# Allegro board 8880F5-0827_6.brd (continued)
## Routing (per net, layer and track width the routed paths; a pad name or vN(x,y) marks a point on that pad's centre or on a via; arc(x,y) is an arc through that point) (continued)
; CSDPS429.B8 182.88,343.71 ; SITE2.G8 329.81,247.93 ; SITE2.G8 329.33,248.41 ; SITE2.G8 329.33,247.45 ; SITE2.G8 328.85,247.93 ; D103.B1 307.34,59.23 ; D103.B1 306.53,58.42 ; D103.B1 307.34,57.61 ; D103.B1 308.15,58.42 ; D322.A8 251.46,66.75 ; D322.A8 252.17,66.04 ; D322.A8 250.75,66.04 ; D322.A8 251.46,65.33 ; 42.37,33.02 D128.A13 ; D128.A13 43.18,33.83 ; D128.A13 43.18,32.21 ; D128.A13 43.99,33.02 ; D109.A14 388.62,333.55 ; D109.A14 388.62,331.93 ; D109.A14 387.81,332.74 ; D109.A14 389.43,332.74 ; 413.21,353.06 D110.A4 ; D110.A4 414.83,353.06 ; D110.A4 414.02,352.25 ; D110.A4 414.02,353.87 ; D131.A11 112.57,53.34 ; D131.A11 111.76,54.15 ; D131.A11 110.95,53.34 ; D131.A11 111.76,52.53 ; D431.A2 198.93,383.54 ; D431.A2 198.12,382.73 ; D431.A2 197.31,383.54 ; D431.A2 198.12,384.35 ; 383.54,55.07 D107.A2 ; D107.A2 383.54,56.69 ; D107.A2 384.35,55.88 ; D107.A2 382.73,55.88 ; SITE3.G16 252.63,183.31 ; SITE3.G16 253.11,182.83 ; SITE3.G16 252.15,182.83 ; SITE3.G16 252.63,182.35 ; D124.A16 272.59,35.56 ; D124.A16 270.97,35.56 ; D124.A16 271.78,34.75 ; D124.A16 271.78,36.37 ; 322.58,409.4 DPS2.C11 ; DPS2.C11 323.39,410.21 ; DPS2.C11 321.77,410.21 ; DPS2.C11 322.58,411.02 ; 270.97,60.96 D123.B16 ; D123.B16 272.59,60.96 ; D123.B16 271.78,61.77 ; D123.B16 271.78,60.15 ; D108.A4 389.43,35.56 ; D108.A4 388.62,34.75 ; D108.A4 388.62,36.37 ; D108.A4 387.81,35.56 ; 327.66,395.43 D116.A9 ; D116.A9 327.66,397.05 ; D116.A9 328.47,396.24 ; D116.A9 326.85,396.24 ; D113.A6 335.28,333.55 ; D113.A6 336.09,332.74 ; D113.A6 334.47,332.74 ; D113.A6 335.28,331.93 ; D318.B8 177.8,71.83 ; D318.B8 177.8,70.41 ; D318.B8 177.09,71.12 ; D318.B8 178.51,71.12 ; S2_I2C.4 504.95,204.39 ; S2_I2C.4 504.95,202.51 ; S2_I2C.4 504.01,203.45 ; S2_I2C.4 505.89,203.45 ; 261.62,90.73 D321.B12 ; D321.B12 261.62,92.15 ; D321.B12 260.91,91.44 ; D321.B12 262.33,91.44 ; 398.78,352.25 D110.A10 ; D110.A10 399.59,353.06 ; D110.A10 397.97,353.06 ; D110.A10 398.78,353.87 ; D116.B6 336.09,388.62 ; D116.B6 335.28,389.43 ; D116.B6 334.47,388.62 ; D116.B6 335.28,387.81 ; D106.B7 396.24,79.55 ; D106.B7 397.05,78.74 ; D106.B7 395.43,78.74 ; D106.B7 396.24,77.93 ; 419.1,326.85 D109.B2 ; D109.B2 418.29,327.66 ; D109.B2 419.1,328.47 ; D109.B2 419.91,327.66 ; SITE2.G4 331.33,241.81 ; SITE2.G4 330.85,241.33 ; SITE2.G4 331.81,241.33 ; SITE2.G4 331.33,240.85 ; D118.A4 167.64,77.01 ; D118.A4 168.45,76.2 ; D118.A4 166.83,76.2 ; D118.A4 167.64,75.39 ; D112.B12 394.51,388.62 ; D112.B12 392.89,388.62 ; D112.B12 393.7,389.43 ; D112.B12 393.7,387.81 ; 91.44,52.53 D131.A3 ; D131.A3 92.25,53.34 ; D131.A3 90.63,53.34 ; D131.A3 91.44,54.15 ; 169.37,53.34 D119.A5 ; D119.A5 170.99,53.34 ; D119.A5 170.18,54.15 ; D119.A5 170.18,52.53 ; D305.B2 384.25,91.44 ; D305.B2 383.54,92.15 ; D305.B2 382.83,91.44 ; D305.B2 383.54,90.73 ; D122.B7 248.92,79.55 ; D122.B7 248.11,78.74 ; D122.B7 249.73,78.74 ; D122.B7 248.92,77.93 ; 249.03,242.35 SITE1.G13 ; SITE1.G13 249.03,243.31 ; SITE1.G13 248.55,242.83 ; SITE1.G13 249.51,242.83 ; 174.55,83.82 D317.A7 ; D317.A7 175.97,83.82 ; D317.A7 175.26,84.53 ; D317.A7 175.26,83.11 ; D125.B6 25.4,102.41 ; D125.B6 24.59,101.6 ; D125.B6 25.4,100.79 ; D125.B6 26.21,101.6 ; 187.96,377.65 D431.B6 ; D431.B6 188.77,378.46 ; D431.B6 187.96,379.27 ; D431.B6 187.15,378.46 ; 33.02,72.85 D126.A9 ; D126.A9 32.21,73.66 ; D126.A9 33.83,73.66 ; D126.A9 33.02,74.47 ; 314.15,368.3 D115.B14 ; D115.B14 314.96,369.11 ; D115.B14 315.77,368.3 ; D115.B14 314.96,367.49 ; D119.A16 198.93,55.88 ; D119.A16 198.12,56.69 ; D119.A16 197.31,55.88 ; D119.A16 198.12,55.07 ; 395.43,391.16 D112.B11 ; D112.B11 396.24,391.97 ; D112.B11 397.05,391.16 ; D112.B11 396.24,390.35 ; D107.A8 398.78,56.69 ; D107.A8 399.59,55.88 ; D107.A8 397.97,55.88 ; D107.A8 398.78,55.07 ; 329.75,186.43 SITE4.G18 ; SITE4.G18 330.23,185.95 ; SITE4.G18 330.23,186.91 ; SITE4.G18 330.71,186.43 ; D322.A5 243.84,64.21 ; D322.A5 243.84,62.79 ; D322.A5 244.55,63.5 ; D322.A5 243.13,63.5 ; 162.56,70.41 D318.B2 ; D318.B2 162.56,71.83 ; D318.B2 161.85,71.12 ; D318.B2 163.27,71.12 ; 342.9,62.79 D302.A15 ; D302.A15 343.61,63.5 ; D302.A15 342.19,63.5 ; D302.A15 342.9,64.21 ; 390.35,330.2 D109.B13 ; D109.B13 391.16,331.01 ; D109.B13 391.16,329.39 ; D109.B13 391.97,330.2 ; 200.66,414.48 DPS8.A01 ; DPS8.A01 199.85,415.29 ; DPS8.A01 201.47,415.29 ; DPS8.A01 200.66,416.1 ; 408.94,39.83 D108.B12 ; D108.B12 408.13,40.64 ; D108.B12 409.75,40.64 ; D108.B12 408.94,41.45 ; 165.1,414.48 DPS8.A15 ; DPS8.A15 165.1,416.1 ; DPS8.A15 164.29,415.29 ; DPS8.A15 165.91,415.29 ; D322.B5 243.84,69.29 ; D322.B5 243.13,68.58 ; D322.B5 243.84,67.87 ; D322.B5 244.55,68.58 ; 403.86,39.83 D108.B10 ; D108.B10 403.05,40.64 ; D108.B10 404.67,40.64 ; D108.B10 403.86,41.45 ; D118.A9 181.15,73.66 ; D118.A9 179.53,73.66 ; D118.A9 180.34,74.47 ; D118.A9 180.34,72.85 ; D318.A15 195.58,64.21 ; D318.A15 195.58,62.79 ; D318.A15 196.29,63.5 ; D318.A15 194.87,63.5 ; 391.16,390.35 D112.B13 ; D112.B13 391.16,391.97 ; D112.B13 390.35,391.16 ; D112.B13 391.97,391.16 ; 245.67,91.44 D321.B6 ; D321.B6 247.09,91.44 ; D321.B6 246.38,92.15 ; D321.B6 246.38,90.73 ; D127.A12 41.45,55.88 ; D127.A12 39.83,55.88 ; D127.A12 40.64,55.07 ; D127.A12 40.64,56.69 ; D116.B14 314.96,389.43 ; D116.B14 314.96,387.81 ; D116.B14 314.15,388.62 ; D116.B14 315.77,388.62 ; D129.A12 115.11,96.52 ; D129.A12 113.49,96.52 ; D129.A12 114.3,97.33 ; D129.A12 114.3,95.71 ; D122.A9 254,74.47 ; D122.A9 253.19,73.66 ; D122.A9 254.81,73.66 ; D122.A9 254,72.85 ; CSDPS229.C3 195.58,331.01 ; CSDPS229.C3 195.58,329.39 ; CSDPS229.C3 194.77,330.2 ; CSDPS229.C3 196.39,330.2 ; 411.48,375.11 D111.A5 ; D111.A5 412.29,375.92 ; D111.A5 411.48,376.73 ; D111.A5 410.67,375.92 ; D113.A11 323.39,335.28 ; D113.A11 322.58,336.09 ; D113.A11 322.58,334.47 ; D113.A11 321.77,335.28 ; D114.A5 338.63,355.6 ; D114.A5 337.01,355.6 ; D114.A5 337.82,354.79 ; D114.A5 337.82,356.41 ; D118.B13 191.31,78.74 ; D118.B13 189.69,78.74 ; D118.B13 190.5,79.55 ; D118.B13 190.5,77.93 ; D318.B3 165.1,69.29 ; D318.B3 164.39,68.58 ; D318.B3 165.1,67.87 ; D318.B3 165.81,68.58 ; 410.77,83.82 D305.A13 ; D305.A13 411.48,84.53 ; D305.A13 412.19,83.82 ; D305.A13 411.48,83.11 ; D123.A12 262.43,55.88 ; D123.A12 261.62,56.69 ; D123.A12 261.62,55.07 ; D123.A12 260.81,55.88 ; 322.58,37.29 D104.B7 ; D104.B7 322.58,38.91 ; D104.B7 321.77,38.1 ; D104.B7 323.39,38.1 ; D132.B16 125.27,40.64 ; D132.B16 123.65,40.64 ; D132.B16 124.46,39.83 ; D132.B16 124.46,41.45 ; D118.B11 185.42,79.55 ; D118.B11 185.42,77.93 ; D118.B11 186.23,78.74 ; D118.B11 184.61,78.74 ; 397.97,60.96 D107.B8 ; D107.B8 398.78,60.15 ; D107.B8 399.59,60.96 ; D107.B8 398.78,61.77 ; 172.01,71.12 D318.B6 ; D318.B6 172.72,71.83 ; D318.B6 172.72,70.41 ; D318.B6 173.43,71.12 ; D104.B1 308.15,38.1 ; D104.B1 307.34,38.91 ; D104.B1 307.34,37.29 ; D104.B1 306.53,38.1 ; D120.A6 173.53,35.56 ; D120.A6 171.91,35.56 ; D120.A6 172.72,34.75 ; D120.A6 172.72,36.37 ; DPS1.C11 406.4,19.86 ; DPS1.C11 406.4,18.24 ; DPS1.C11 405.59,19.05 ; DPS1.C11 407.21,19.05 ; D104.A14 341.17,35.56 ; D104.A14 340.36,34.75 ; D104.A14 339.55,35.56 ; D104.A14 340.36,36.37 ; D321.A11 259.79,83.82 ; D321.A11 259.08,84.53 ; D321.A11 258.37,83.82 ; D321.A11 259.08,83.11 ; D119.A14 193.85,55.88 ; D119.A14 193.04,56.69 ; D119.A14 193.04,55.07 ; D119.A14 192.23,55.88 ; 386.08,77.93 D106.B3 ; D106.B3 386.08,79.55 ; D106.B3 386.89,78.74 ; D106.B3 385.27,78.74 ; D110.A8 403.86,353.87 ; D110.A8 404.67,353.06 ; D110.A8 403.05,353.06 ; D110.A8 403.86,352.25 ; 250.65,76.2 D122.A8 ; D122.A8 251.46,75.39 ; D122.A8 252.27,76.2 ; D122.A8 251.46,77.01 ; 118.57,55.88 D131.A14 ; D131.A14 120.19,55.88 ; D131.A14 119.38,55.07 ; D131.A14 119.38,56.69 ; 383.54,80.47 D106.B2 ; D106.B2 384.35,81.28 ; D106.B2 383.54,82.09 ; D106.B2 382.73,81.28 ; D114.A16 309.88,353.87 ; D114.A16 310.69,353.06 ; D114.A16 309.07,353.06 ; D114.A16 309.88,352.25 ; SITE1.G5 252.33,241.81 ; SITE1.G5 252.81,241.33 ; SITE1.G5 252.33,240.85 ; SITE1.G5 251.85,241.33 ; D110.B3 417.37,350.52 ; D110.B3 415.75,350.52 ; D110.B3 416.56,349.71 ; D110.B3 416.56,351.33 ; 50.8,80.47 D126.B16 ; D126.B16 51.61,81.28 ; D126.B16 50.8,82.09 ; D126.B16 49.99,81.28 ; D129.B15 122.73,99.06 ; D129.B15 121.11,99.06 ; D129.B15 121.92,99.87 ; D129.B15 121.92,98.25 ; 116.84,32.21 D132.A13 ; D132.A13 116.84,33.83 ; D132.A13 116.03,33.02 ; D132.A13 117.65,33.02 ; SITE2.G18 330.23,246.91 ; SITE2.G18 330.23,245.95 ; SITE2.G18 329.75,246.43 ; SITE2.G18 330.71,246.43 ; D124.B8 252.27,40.64 ; D124.B8 251.46,39.83 ; D124.B8 251.46,41.45 ; D124.B8 250.65,40.64 ; D103.A14 341.17,55.88 ; D103.A14 339.55,55.88 ; D103.A14 340.36,55.07 ; D103.A14 340.36,56.69 ; D431.B5 190.5,381.81 ; D431.B5 190.5,380.19 ; D431.B5 189.69,381 ; D431.B5 191.31,381 ; 340.36,326.85 D113.B4 ; D113.B4 339.55,327.66 ; D113.B4 340.36,328.47 ; D113.B4 341.17,327.66 ; 170.18,83.11 D317.A5 ; D317.A5 170.18,84.53 ; D317.A5 170.89,83.82 ; D317.A5 169.47,83.82 ; CSDPS229.C5 190.5,331.01 ; CSDPS229.C5 190.5,329.39 ; CSDPS229.C5 189.69,330.2 ; CSDPS229.C5 191.31,330.2 ; D128.B11 38.91,38.1 ; D128.B11 38.1,38.91 ; D128.B11 37.29,38.1 ; D128.B11 38.1,37.29 ; 391.16,349.71 D110.B13 ; D110.B13 391.97,350.52 ; D110.B13 391.16,351.33 ; D110.B13 390.35,350.52 ; D113.A9 327.66,336.09 ; D113.A9 328.47,335.28 ; D113.A9 326.85,335.28 ; D113.A9 327.66,334.47 ; 344.63,40.64 D104.B16 ; D104.B16 345.44,41.45 ; D104.B16 346.25,40.64 ; D104.B16 345.44,39.83 ; D118.A5 170.18,74.47 ; D118.A5 169.37,73.66 ; D118.A5 170.99,73.66 ; D118.A5 170.18,72.85 ; D120.A14 193.85,35.56 ; D120.A14 193.04,34.75 ; D120.A14 192.23,35.56 ; D120.A14 193.04,36.37 ; 198.12,80.47 D118.B16 ; D118.B16 198.93,81.28 ; D118.B16 198.12,82.09 ; D118.B16 197.31,81.28 ; D122.A5 243.84,74.47 ; D122.A5 244.65,73.66 ; D122.A5 243.03,73.66 ; D122.A5 243.84,72.85 ; D119.B4 168.45,60.96 ; D119.B4 167.64,61.77 ; D119.B4 167.64,60.15 ; D119.B4 166.83,60.96 ; 331.33,187.45 SITE4.G10 ; SITE4.G10 331.81,187.93 ; SITE4.G10 330.85,187.93 ; SITE4.G10 331.33,188.41 ; D111.A8 404.67,373.38 ; D111.A8 403.86,374.19 ; D111.A8 403.86,372.57 ; D111.A8 403.05,373.38 ; 393.7,85.65 D305.A6 ; D305.A6 394.41,86.36 ; D305.A6 393.7,87.07 ; D305.A6 392.99,86.36 ; 195.58,380.19 D431.B3 ; D431.B3 195.58,381.81 ; D431.B3 194.77,381 ; D431.B3 196.39,381 ; 329.03,245.95 SITE2.G17 ; SITE2.G17 329.51,246.43 ; SITE2.G17 328.55,246.43 ; SITE2.G17 329.03,246.91 ; 342.09,58.42 D103.B15 ; D103.B15 342.9,59.23 ; D103.B15 343.71,58.42 ; D103.B15 342.9,57.61 ; D125.B14 46.53,101.6 ; D125.B14 45.72,100.79 ; D125.B14 45.72,102.41 ; D125.B14 44.91,101.6 ; 337.82,37.29 D104.B13 ; D104.B13 337.01,38.1 ; D104.B13 337.82,38.91 ; D104.B13 338.63,38.1 ; 314.15,81.28 D102.B4 ; D102.B4 315.77,81.28 ; D102.B4 314.96,80.47 ; D102.B4 314.96,82.09 ; 236.22,65.33 D322.A2 ; D322.A2 236.93,66.04 ; D322.A2 235.51,66.04 ; D322.A2 236.22,66.75 ; D113.A1 347.98,336.09 ; D113.A1 347.98,334.47 ; D113.A1 348.79,335.28 ; D113.A1 347.17,335.28 ; D318.A12 187.96,66.75 ; D318.A12 188.67,66.04 ; D318.A12 187.96,65.33 ; D318.A12 187.25,66.04 ; 243.03,78.74 D122.B5 ; D122.B5 243.84,79.55 ; D122.B5 244.65,78.74 ; D122.B5 243.84,77.93 ; D305.B6 393.7,92.15 ; D305.B6 393.7,90.73 ; D305.B6 392.99,91.44 ; D305.B6 394.41,91.44 ; D118.A11 185.42,74.47 ; D118.A11 186.23,73.66 ; D118.A11 185.42,72.85 ; D118.A11 184.61,73.66 ; 159.21,381 D431.B17 ; D431.B17 160.02,380.19 ; D431.B17 160.02,381.81 ; D431.B17 160.83,381 ; D431.A14 168.45,383.54 ; D431.A14 167.64,382.73 ; D431.A14 167.64,384.35 ; D431.A14 166.83,383.54 ; D127.B9 33.02,59.23 ; D127.B9 33.02,57.61 ; D127.B9 33.83,58.42 ; D127.B9 32.21,58.42 ; CSDPS225.C15 239.57,330.2 ; CSDPS225.C15 238.76,329.39 ; CSDPS225.C15 237.95,330.2 ; CSDPS225.C15 238.76,331.01 ; SITE3.G13 249.03,183.31 ; SITE3.G13 248.55,182.83 ; SITE3.G13 249.51,182.83 ; SITE3.G13 249.03,182.35 ; 175.26,329.39 CSDPS229.C11 ; CSDPS229.C11 176.07,330.2 ; CSDPS229.C11 174.45,330.2 ; CSDPS229.C11 175.26,331.01 ; 342.09,350.52 D114.B3 ; D114.B3 343.71,350.52 ; D114.B3 342.9,349.71 ; D114.B3 342.9,351.33 ; D109.B8 404.67,327.66 ; D109.B8 403.86,328.47 ; D109.B8 403.86,326.85 ; D109.B8 403.05,327.66 ; D305.B5 391.16,89.61 ; D305.B5 391.87,88.9 ; D305.B5 390.45,88.9 ; D305.B5 391.16,88.19 ; 340.36,367.49 D115.B4 ; D115.B4 341.17,368.3 ; D115.B4 340.36,369.11 ; D115.B4 339.55,368.3 ; 345.44,34.75 D104.A16 ; D104.A16 346.25,35.56 ; D104.A16 345.44,36.37 ; D104.A16 344.63,35.56 ; 99.06,39.83 D132.B6 ; D132.B6 99.87,40.64 ; D132.B6 98.25,40.64 ; D132.B6 99.06,41.45 ; 386.08,349.71 D110.B15 ; D110.B15 386.08,351.33 ; D110.B15 386.89,350.52 ; D110.B15 385.27,350.52 ; D123.A3 238.76,54.15 ; D123.A3 239.57,53.34 ; D123.A3 237.95,53.34 ; D123.A3 238.76,52.53 ; D321.B14 266.7,92.15 ; D321.B14 267.41,91.44 ; D321.B14 266.7,90.73 ; D321.B14 265.99,91.44 ; 406.4,83.11 D305.A11 ; D305.A11 407.11,83.82 ; D305.A11 406.4,84.53 ; D305.A11 405.69,83.82 ; D115.B6 336.09,368.3 ; D115.B6 335.28,367.49 ; D115.B6 334.47,368.3 ; D115.B6 335.28,369.11 ; 403.05,81.28 D106.B10 ; D106.B10 403.86,82.09 ; D106.B10 404.67,81.28 ; D106.B10 403.86,80.47 ; 340.36,70.41 D302.B14 ; D302.B14 341.07,71.12 ; D302.B14 339.65,71.12 ; D302.B14 340.36,71.83 ; 314.15,60.96 D103.B4 ; D103.B4 314.96,60.15 ; D103.B4 314.96,61.77 ; D103.B4 315.77,60.96 ; 252.15,242.83 SITE1.G16 ; SITE1.G16 252.63,243.31 ; SITE1.G16 253.11,242.83 ; SITE1.G16 252.63,242.35 ; 337.82,32.21 D104.A13 ; D104.A13 337.82,33.83 ; D104.A13 337.01,33.02 ; D104.A13 338.63,33.02 ; SITE3.G12 253.33,188.41 ; SITE3.G12 253.81,187.93 ; SITE3.G12 253.33,187.45 ; SITE3.G12 252.85,187.93 ; 184.71,88.9 D317.B11 ; D317.B11 186.13,88.9 ; D317.B11 185.42,89.61 ; D317.B11 185.42,88.19 ; 248.33,180.85 SITE3.G1 ; SITE3.G1 248.81,181.33 ; SITE3.G1 248.33,181.81 ; SITE3.G1 247.85,181.33 ; D130.B14 119.38,82.09 ; D130.B14 118.57,81.28 ; D130.B14 119.38,80.47 ; D130.B14 120.19,81.28 ; D301.A12 335.28,87.07 ; D301.A12 335.28,85.65 ; D301.A12 335.99,86.36 ; D301.A12 334.57,86.36 ; D109.B6 409.75,327.66 ; D109.B6 408.13,327.66 ; D109.B6 408.94,328.47 ; D109.B6 408.94,326.85 ; 193.04,70.41 D318.B14 ; D318.B14 192.33,71.12 ; D318.B14 193.04,71.83 ; D318.B14 193.75,71.12 ; 401.32,57.61 D107.B9 ; D107.B9 400.51,58.42 ; D107.B9 402.13,58.42 ; D107.B9 401.32,59.23 ; D127.A6 25.4,56.69 ; D127.A6 24.59,55.88 ; D127.A6 25.4,55.07 ; D127.A6 26.21,55.88 ; 123.65,35.56 D132.A16 ; D132.A16 125.27,35.56 ; D132.A16 124.46,34.75 ; D132.A16 124.46,36.37 ; D130.A1 86.36,74.47 ; D130.A1 87.17,73.66 ; D130.A1 85.55,73.66 ; D130.A1 86.36,72.85 ; D120.B6 173.53,40.64 ; D120.B6 172.72,39.83 ; D120.B6 172.72,41.45 ; D120.B6 171.91,40.64 ; D109.B3 416.56,331.01 ; D109.B3 417.37,330.2 ; D109.B3 416.56,329.39 ; D109.B3 415.75,330.2 ; 403.15,66.04 D306.A10 ; D306.A10 404.57,66.04 ; D306.A10 403.86,65.33 ; D306.A10 403.86,66.75 ; CSDPS225.B10 252.27,332.74 ; CSDPS225.B10 251.46,331.93 ; CSDPS225.B10 250.65,332.74 ; CSDPS225.B10 251.46,333.55 ; D322.A4 241.3,66.75 ; D322.A4 241.3,65.33 ; D322.A4 240.59,66.04 ; D322.A4 242.01,66.04 ; 393.7,331.93 D109.A12 ; D109.A12 393.7,333.55 ; D109.A12 394.51,332.74 ; D109.A12 392.89,332.74 ; D431.B11 175.26,381.81 ; D431.B11 174.45,381 ; D431.B11 176.07,381 ; D431.B11 175.26,380.19 ; D106.A14 414.83,76.2 ; D106.A14 413.21,76.2 ; D106.A14 414.02,77.01 ; D106.A14 414.02,75.39 ; D306.A1 381.71,63.5 ; D306.A1 380.29,63.5 ; D306.A1 381,64.21 ; D306.A1 381,62.79 ; D318.B15 196.29,68.58 ; D318.B15 195.58,67.87 ; D318.B15 194.87,68.58 ; D318.B15 195.58,69.29 ; D129.A2 88.9,97.33 ; D129.A2 88.09,96.52 ; D129.A2 88.9,95.71 ; D129.A2 89.71,96.52 ; 260.91,66.04 D322.A12 ; D322.A12 261.62,65.33 ; D322.A12 262.33,66.04 ; D322.A12 261.62,66.75 ; D129.A9 107.49,93.98 ; D129.A9 106.68,94.79 ; D129.A9 105.87,93.98 ; D129.A9 106.68,93.17 ; 342.09,335.28 D113.A3 ; D113.A3 342.9,334.47 ; D113.A3 343.71,335.28 ; D113.A3 342.9,336.09 ; D321.A3 239.47,83.82 ; D321.A3 238.05,83.82 ; D321.A3 238.76,84.53 ; D321.A3 238.76,83.11 ; D132.A14 120.19,35.56 ; D132.A14 118.57,35.56 ; D132.A14 119.38,34.75 ; D132.A14 119.38,36.37 ; 388.62,85.65 D305.A4 ; D305.A4 388.62,87.07 ; D305.A4 387.91,86.36 ; D305.A4 389.33,86.36 ; D125.A6 25.4,97.33 ; D125.A6 25.4,95.71 ; D125.A6 26.21,96.52 ; D125.A6 24.59,96.52 ; 344.63,393.7 D116.A2 ; D116.A2 345.44,392.89 ; D116.A2 346.25,393.7 ; D116.A2 345.44,394.51 ; D120.B2 162.56,41.45 ; D120.B2 161.75,40.64 ; D120.B2 163.37,40.64 ; D120.B2 162.56,39.83 ; D322.B10 256.54,71.83 ; D322.B10 255.83,71.12 ; D322.B10 257.25,71.12 ; D322.B10 256.54,70.41 ; 314.96,352.25 D114.A14 ; D114.A14 314.15,353.06 ; D114.A14 315.77,353.06 ; D114.A14 314.96,353.87 ; D107.B14 414.02,61.77 ; D107.B14 414.83,60.96 ; D107.B14 413.21,60.96 ; D107.B14 414.02,60.15 ; SITE3.G18 250.23,186.91 ; SITE3.G18 249.75,186.43 ; SITE3.G18 250.23,185.95 ; SITE3.G18 250.71,186.43 ; D111.A1 422.45,375.92 ; D111.A1 420.83,375.92 ; D111.A1 421.64,376.73 ; D111.A1 421.64,375.11 ; D120.B16 198.93,40.64 ; D120.B16 198.12,39.83 ; D120.B16 197.31,40.64 ; D120.B16 198.12,41.45 ; D120.A2 162.56,36.37 ; D120.A2 161.75,35.56 ; D120.A2 163.37,35.56 ; D120.A2 162.56,34.75 ; 321.77,330.2 D113.B11 ; D113.B11 322.58,331.01 ; D113.B11 322.58,329.39 ; D113.B11 323.39,330.2 ; D115.A6 336.09,373.38 ; D115.A6 335.28,374.19 ; D115.A6 334.47,373.38 ; D115.A6 335.28,372.57 ; D107.A16 419.91,55.88 ; D107.A16 418.29,55.88 ; D107.A16 419.1,56.69 ; D107.A16 419.1,55.07 ; D122.B10 257.35,81.28 ; D122.B10 256.54,80.47 ; D122.B10 255.73,81.28 ; D122.B10 256.54,82.09 ; 334.47,55.88 D103.A12 ; D103.A12 335.28,55.07 ; D103.A12 335.28,56.69 ; D103.A12 336.09,55.88 ; 261.62,342.09 CSDPS425.B6 ; CSDPS425.B6 262.43,342.9 ; CSDPS425.B6 261.62,343.71 ; CSDPS425.B6 260.81,342.9 ; D322.B8 251.46,71.83 ; D322.B8 252.17,71.12 ; D322.B8 251.46,70.41 ; D322.B8 250.75,71.12 ; D114.A13 318.31,355.6 ; D114.A13 316.69,355.6 ; D114.A13 317.5,356.41 ; D114.A13 317.5,354.79 ; SITE3.G6 253.81,181.33 ; SITE3.G6 252.85,181.33 ; SITE3.G6 253.33,180.85 ; SITE3.G6 253.33,181.81 ; 392.89,35.56 D108.A6 ; D108.A6 393.7,36.37 ; D108.A6 393.7,34.75 ; D108.A6 394.51,35.56 ; 91.44,93.17 D129.A3 ; D129.A3 91.44,94.79 ; D129.A3 90.63,93.98 ; D129.A3 92.25,93.98 ; D120.A5 170.18,33.83 ; D120.A5 170.99,33.02 ; D120.A5 170.18,32.21 ; D120.A5 169.37,33.02 ; D125.B16 50.8,102.41 ; D125.B16 51.61,101.6 ; D125.B16 49.99,101.6 ; D125.B16 50.8,100.79 ; 250.95,246.43 SITE1.G19 ; SITE1.G19 251.43,246.91 ; SITE1.G19 251.43,245.95 ; SITE1.G19 251.91,246.43 ; D116.A4 340.36,394.51 ; D116.A4 341.17,393.7 ; D116.A4 340.36,392.89 ; D116.A4 339.55,393.7 ; 240.49,40.64 D124.B4 ; D124.B4 242.11,40.64 ; D124.B4 241.3,39.83 ; D124.B4 241.3,41.45 ; D131.B6 99.87,60.96 ; D131.B6 99.06,60.15 ; D131.B6 99.06,61.77 ; D131.B6 98.25,60.96 ; 48.26,98.25 D125.B15 ; D125.B15 48.26,99.87 ; D125.B15 49.07,99.06 ; D125.B15 47.45,99.06 ; D124.A9 254,33.83 ; D124.A9 254.81,33.02 ; D124.A9 254,32.21 ; D124.A9 253.19,33.02 ; D231.A16 162.56,374.19 ; D231.A16 161.75,373.38 ; D231.A16 163.37,373.38 ; D231.A16 162.56,372.57 ; D108.A7 396.24,33.83 ; D108.A7 397.05,33.02 ; D108.A7 396.24,32.21 ; D108.A7 395.43,33.02 ; 250.75,91.44 D321.B8 ; D321.B8 251.46,92.15 ; D321.B8 252.17,91.44 ; D321.B8 251.46,90.73 ; 33.02,98.25 D125.B9 ; D125.B9 32.21,99.06 ; D125.B9 33.02,99.87 ; D125.B9 33.83,99.06 ; CSDPS229.B16 163.37,332.74 ; CSDPS229.B16 161.75,332.74 ; CSDPS229.B16 162.56,331.93 ; CSDPS229.B16 162.56,333.55 ; 190.5,32.21 D120.A13 ; D120.A13 191.31,33.02 ; D120.A13 190.5,33.83 ; D120.A13 189.69,33.02 ; D115.B13 318.31,370.84 ; D115.B13 316.69,370.84 ; D115.B13 317.5,371.65 ; D115.B13 317.5,370.03 ; D125.B7 27.94,99.87 ; D125.B7 27.13,99.06 ; D125.B7 28.75,99.06 ; D125.B7 27.94,98.25 ; 390.35,73.66 D106.A5 ; D106.A5 391.16,72.85 ; D106.A5 391.97,73.66 ; D106.A5 391.16,74.47 ; D114.B8 331.01,347.98 ; D114.B8 330.2,348.79 ; D114.B8 329.39,347.98 ; D114.B8 330.2,347.17 ; 101.6,57.61 D131.B7 ; D131.B7 100.79,58.42 ; D131.B7 101.6,59.23 ; D131.B7 102.41,58.42 ; 396.24,62.79 D306.A7 ; D306.A7 396.24,64.21 ; D306.A7 396.95,63.5 ; D306.A7 395.53,63.5 ; D301.A7 323.29,83.82 ; D301.A7 321.87,83.82 ; D301.A7 322.58,83.11 ; D301.A7 322.58,84.53 ; D127.A16 50.8,56.69 ; D127.A16 50.8,55.07 ; D127.A16 51.61,55.88 ; D127.A16 49.99,55.88 ; CSDPS225.B16 236.22,333.55 ; CSDPS225.B16 236.22,331.93 ; CSDPS225.B16 237.03,332.74 ; CSDPS225.B16 235.41,332.74 ; D125.B5 23.67,99.06 ; D125.B5 22.86,98.25 ; D125.B5 22.05,99.06 ; D125.B5 22.86,99.87 ; 43.18,57.61 D127.B13 ; D127.B13 43.99,58.42 ; D127.B13 43.18,59.23 ; D127.B13 42.37,58.42 ; 190.5,62.79 D318.A13 ; D318.A13 190.5,64.21 ; D318.A13 189.79,63.5 ; D318.A13 191.21,63.5 ; 195.58,385.27 D431.A3 ; D431.A3 194.77,386.08 ; D431.A3 196.39,386.08 ; D431.A3 195.58,386.89 ; SITE1.G3 250.81,241.33 ; SITE1.G3 249.85,241.33 ; SITE1.G3 250.33,241.81 ; SITE1.G3 250.33,240.85 ; 392.89,327.66 D109.B12 ; D109.B12 394.51,327.66 ; D109.B12 393.7,328.47 ; D109.B12 393.7,326.85 ; 238.76,62.79 D322.A3 ; D322.A3 238.05,63.5 ; D322.A3 239.47,63.5 ; D322.A3 238.76,64.21 ; 415.75,53.34 D107.A15 ; D107.A15 416.56,54.15 ; D107.A15 417.37,53.34 ; D107.A15 416.56,52.53 ; 393.7,367.49 D111.B12 ; D111.B12 394.51,368.3 ; D111.B12 392.89,368.3 ; D111.B12 393.7,369.11 ; 174.45,33.02 D120.A7 ; D120.A7 175.26,32.21 ; D120.A7 175.26,33.83 ; D120.A7 176.07,33.02 ; D132.A5 96.52,33.83 ; D132.A5 96.52,32.21 ; D132.A5 97.33,33.02 ; D132.A5 95.71,33.02 ; SITE1.G4 251.33,241.81 ; SITE1.G4 251.81,241.33 ; SITE1.G4 250.85,241.33 ; SITE1.G4 251.33,240.85 ; D116.B7 333.55,391.16 ; D116.B7 332.74,390.35 ; D116.B7 332.74,391.97 ; D116.B7 331.93,391.16 ; D306.B8 399.49,71.12 ; D306.B8 398.78,71.83 ; D306.B8 398.78,70.41 ; D306.B8 398.07,71.12 ; 416.56,67.87 D306.B15 ; D306.B15 415.85,68.58 ; D306.B15 417.27,68.58 ; D306.B15 416.56,69.29 ; 270.97,40.64 D124.B16 ; D124.B16 272.59,40.64 ; D124.B16 271.78,41.45 ; D124.B16 271.78,39.83 ; D110.B8 404.67,347.98 ; D110.B8 403.86,348.79 ; D110.B8 403.86,347.17 ; D110.B8 403.05,347.98 ; 419.1,331.93 D109.A2 ; D109.A2 419.91,332.74 ; D109.A2 419.1,333.55 ; D109.A2 418.29,332.74 ; 388.62,347.17 D110.B14 ; D110.B14 388.62,348.79 ; D110.B14 387.81,347.98 ; D110.B14 389.43,347.98 ; 390.35,355.6 D110.A13 ; D110.A13 391.16,354.79 ; D110.A13 391.16,356.41 ; D110.A13 391.97,355.6 ; CSDPS225.C3 269.24,331.01 ; CSDPS225.C3 270.05,330.2 ; CSDPS225.C3 269.24,329.39 ; CSDPS225.C3 268.43,330.2 ; D104.B10 331.01,40.64 ; D104.B10 329.39,40.64 ; D104.B10 330.2,39.83 ; D104.B10 330.2,41.45 ; 387.81,373.38 D111.A14 ; D111.A14 389.43,373.38 ; D111.A14 388.62,374.19 ; D111.A14 388.62,372.57 ; D130.B4 93.98,82.09 ; D130.B4 93.17,81.28 ; D130.B4 93.98,80.47 ; D130.B4 94.79,81.28 ; 35.56,100.79 D125.B10 ; D125.B10 34.75,101.6 ; D125.B10 36.37,101.6 ; D125.B10 35.56,102.41 ; D103.B3 313.23,58.42 ; D103.B3 312.42,59.23 ; D103.B3 312.42,57.61 ; D103.B3 311.61,58.42 ; D106.A8 399.59,76.2 ; D106.A8 397.97,76.2 ; D106.A8 398.78,77.01 ; D106.A8 398.78,75.39 ; 15.24,39.83 D128.B2 ; D128.B2 16.05,40.64 ; D128.B2 14.43,40.64 ; D128.B2 15.24,41.45 ; 328.55,242.83 SITE2.G13 ; SITE2.G13 329.03,243.31 ; SITE2.G13 329.03,242.35 ; SITE2.G13 329.51,242.83 ; D128.B14 46.53,40.64 ; D128.B14 45.72,41.45 ; D128.B14 44.91,40.64 ; D128.B14 45.72,39.83 ; D104.A1 307.34,33.83 ; D104.A1 307.34,32.21 ; D104.A1 308.15,33.02 ; D104.A1 306.53,33.02 ; D318.A10 182.88,66.75 ; D318.A10 183.59,66.04 ; D318.A10 182.17,66.04 ; D318.A10 182.88,65.33 ; D104.A5 318.31,33.02 ; D104.A5 316.69,33.02 ; D104.A5 317.5,32.21 ; D104.A5 317.5,33.83 ; SITE3.G14 250.23,183.31 ; SITE3.G14 250.71,182.83 ; SITE3.G14 250.23,182.35 ; SITE3.G14 249.75,182.83 ; 22.86,32.21 D128.A5 ; D128.A5 22.05,33.02 ; D128.A5 23.67,33.02 ; D128.A5 22.86,33.83 ; 332.63,182.35 SITE4.G16 ; SITE4.G16 332.15,182.83 ; SITE4.G16 332.63,183.31 ; SITE4.G16 333.11,182.83 ; 124.46,60.15 D131.B16 ; D131.B16 123.65,60.96 ; D131.B16 124.46,61.77 ; D131.B16 125.27,60.96 ; 321.87,63.5 D302.A7 ; D302.A7 323.29,63.5 ; D302.A7 322.58,64.21 ; D302.A7 322.58,62.79 ; 47.45,78.74 D126.B15 ; D126.B15 49.07,78.74 ; D126.B15 48.26,77.93 ; D126.B15 48.26,79.55 ; 324.31,81.28 D102.B8 ; D102.B8 325.12,82.09 ; D102.B8 325.93,81.28 ; D102.B8 325.12,80.47 ; D118.B9 181.15,78.74 ; D118.B9 179.53,78.74 ; D118.B9 180.34,77.93 ; D118.B9 180.34,79.55 ; 248.92,52.53 D123.A7 ; D123.A7 249.73,53.34 ; D123.A7 248.11,53.34 ; D123.A7 248.92,54.15 ; CSDPS225.B6 261.62,333.55 ; CSDPS225.B6 260.81,332.74 ; CSDPS225.B6 261.62,331.93 ; CSDPS225.B6 262.43,332.74 ; D111.A15 386.89,375.92 ; D111.A15 386.08,375.11 ; D111.A15 385.27,375.92 ; D111.A15 386.08,376.73 ; D321.B15 269.95,88.9 ; D321.B15 269.24,89.61 ; D321.B15 268.53,88.9 ; D321.B15 269.24,88.19 ; D132.A1 86.36,33.83 ; D132.A1 87.17,33.02 ; D132.A1 86.36,32.21 ; D132.A1 85.55,33.02 ; D302.B2 309.88,71.83 ; D302.B2 309.17,71.12 ; D302.B2 309.88,70.41 ; D302.B2 310.59,71.12 ; D125.A9 33.83,93.98 ; D125.A9 32.21,93.98 ; D125.A9 33.02,93.17 ; D125.A9 33.02,94.79 ; D108.B13 412.29,38.1 ; D108.B13 411.48,38.91 ; D108.B13 410.67,38.1 ; D108.B13 411.48,37.29 ; D114.B7 333.55,350.52 ; D114.B7 331.93,350.52 ; D114.B7 332.74,351.33 ; D114.B7 332.74,349.71 ; D125.A11 38.1,94.79 ; D125.A11 37.29,93.98 ; D125.A11 38.91,93.98 ; D125.A11 38.1,93.17 ; 380.19,78.74 D106.B1 ; D106.B1 381.81,78.74 ; D106.B1 381,79.55 ; D106.B1 381,77.93 ; D104.B5 318.31,38.1 ; D104.B5 317.5,38.91 ; D104.B5 316.69,38.1 ; D104.B5 317.5,37.29 ; D107.A6 394.51,55.88 ; D107.A6 392.89,55.88 ; D107.A6 393.7,55.07 ; D107.A6 393.7,56.69 ; 250.65,81.28 D122.B8 ; D122.B8 252.27,81.28 ; D122.B8 251.46,82.09 ; D122.B8 251.46,80.47 ; D118.A7 175.26,74.47 ; D118.A7 175.26,72.85 ; D118.A7 176.07,73.66 ; D118.A7 174.45,73.66 ; CSDPS429.B2 198.12,343.71 ; CSDPS429.B2 198.12,342.09 ; CSDPS429.B2 198.93,342.9 ; CSDPS429.B2 197.31,342.9 ; D128.A8 30.48,36.37 ; D128.A8 29.67,35.56 ; D128.A8 30.48,34.75 ; D128.A8 31.29,35.56 ; 88.9,75.39 D130.A2 ; D130.A2 88.09,76.2 ; D130.A2 89.71,76.2 ; D130.A2 88.9,77.01 ; 312.42,390.35 D116.B15 ; D116.B15 312.42,391.97 ; D116.B15 311.61,391.16 ; D116.B15 313.23,391.16 ; D110.B6 409.75,347.98 ; D110.B6 408.13,347.98 ; D110.B6 408.94,348.79 ; D110.B6 408.94,347.17 ; 259.08,62.79 D322.A11 ; D322.A11 259.79,63.5 ; D322.A11 259.08,64.21 ; D322.A11 258.37,63.5 ; 325.12,352.25 D114.A10 ; D114.A10 324.31,353.06 ; D114.A10 325.12,353.87 ; D114.A10 325.93,353.06 ; D104.B14 340.36,41.45 ; D104.B14 341.17,40.64 ; D104.B14 339.55,40.64 ; D104.B14 340.36,39.83 ; D318.A11 185.42,64.21 ; D318.A11 186.13,63.5 ; D318.A11 184.71,63.5 ; D318.A11 185.42,62.79 ; 170.18,62.79 D318.A5 ; D318.A5 169.47,63.5 ; D318.A5 170.18,64.21 ; D318.A5 170.89,63.5 ; D126.B7 27.94,79.55 ; D126.B7 27.13,78.74 ; D126.B7 27.94,77.93 ; D126.B7 28.75,78.74 ; 324.31,35.56 D104.A8 ; D104.A8 325.12,34.75 ; D104.A8 325.12,36.37 ; D104.A8 325.93,35.56 ; D125.B13 43.18,99.87 ; D125.B13 42.37,99.06 ; D125.B13 43.99,99.06 ; D125.B13 43.18,98.25 ; 182.07,40.64 D120.B10 ; D120.B10 183.69,40.64 ; D120.B10 182.88,39.83 ; D120.B10 182.88,41.45 ; D124.B15 270.05,38.1 ; D124.B15 269.24,37.29 ; D124.B15 268.43,38.1 ; D124.B15 269.24,38.91 ; 314.96,55.07 D103.A4 ; D103.A4 314.96,56.69 ; D103.A4 315.77,55.88 ; D103.A4 314.15,55.88 ; 337.82,390.35 D116.B5 ; D116.B5 337.82,391.97 ; D116.B5 338.63,391.16 ; D116.B5 337.01,391.16 ; D126.A16 51.61,76.2 ; D126.A16 50.8,75.39 ; D126.A16 49.99,76.2 ; D126.A16 50.8,77.01 ; D131.B4 94.79,60.96 ; D131.B4 93.98,60.15 ; D131.B4 93.98,61.77 ; D131.B4 93.17,60.96 ; D322.B2 236.93,71.12 ; D322.B2 236.22,70.41 ; D322.B2 235.51,71.12 ; D322.B2 236.22,71.83 ; 164.39,88.9 D317.B3 ; D317.B3 165.1,88.19 ; D317.B3 165.1,89.61 ; D317.B3 165.81,88.9 ; 194.77,340.36 CSDPS429.C3 ; CSDPS429.C3 196.39,340.36 ; CSDPS429.C3 195.58,339.55 ; CSDPS429.C3 195.58,341.17 ; D111.A7 407.21,375.92 ; D111.A7 405.59,375.92 ; D111.A7 406.4,375.11 ; D111.A7 406.4,376.73 ; 96.52,93.17 D129.A5 ; D129.A5 97.33,93.98 ; D129.A5 95.71,93.98 ; D129.A5 96.52,94.79 ; 166.83,35.56 D120.A4 ; D120.A4 167.64,36.37 ; D120.A4 167.64,34.75 ; D120.A4 168.45,35.56 ; D128.B6 26.21,40.64 ; D128.B6 25.4,39.83 ; D128.B6 24.59,40.64 ; D128.B6 25.4,41.45 ; D318.B16 198.12,71.83 ; D318.B16 198.12,70.41 ; D318.B16 197.41,71.12 ; D318.B16 198.83,71.12 ; 40.64,100.79 D125.B12 ; D125.B12 39.83,101.6 ; D125.B12 40.64,102.41 ; D125.B12 41.45,101.6 ; D306.B2 384.25,71.12 ; D306.B2 382.83,71.12 ; D306.B2 383.54,71.83 ; D306.B2 383.54,70.41 ; D127.A4 20.32,56.69 ; D127.A4 21.13,55.88 ; D127.A4 19.51,55.88 ; D127.A4 20.32,55.07 ; D127.B14 46.53,60.96 ; D127.B14 45.72,60.15 ; D127.B14 44.91,60.96 ; D127.B14 45.72,61.77 ; D107.A3 386.89,53.34 ; D107.A3 386.08,54.15 ; D107.A3 385.27,53.34 ; D107.A3 386.08,52.53 ; D317.A9 180.34,84.53 ; D317.A9 180.34,83.11 ; D317.A9 179.63,83.82 ; D317.A9 181.05,83.82 ; D431.A16 162.56,384.35 ; D431.A16 161.75,383.54 ; D431.A16 163.37,383.54 ; D431.A16 162.56,382.73 ; 416.56,390.35 D112.B3 ; D112.B3 415.75,391.16 ; D112.B3 417.37,391.16 ; D112.B3 416.56,391.97 ; D120.A3 165.91,33.02 ; D120.A3 165.1,33.83 ; D120.A3 164.29,33.02 ; D120.A3 165.1,32.21 ; D109.A16 384.35,332.74 ; D109.A16 382.73,332.74 ; D109.A16 383.54,331.93 ; D109.A16 383.54,333.55 ; D305.A9 401.32,84.53 ; D305.A9 402.03,83.82 ; D305.A9 401.32,83.11 ; D305.A9 400.61,83.82 ; 309.07,332.74 D113.A16 ; D113.A16 309.88,331.93 ; D113.A16 309.88,333.55 ; D113.A16 310.69,332.74 ; 171.91,55.88 D119.A6 ; D119.A6 172.72,55.07 ; D119.A6 172.72,56.69 ; D119.A6 173.53,55.88 ; D104.A10 331.01,35.56 ; D104.A10 329.39,35.56 ; D104.A10 330.2,36.37 ; D104.A10 330.2,34.75 ; 309.17,66.04 D302.A2 ; D302.A2 309.88,66.75 ; D302.A2 310.59,66.04 ; D302.A2 309.88,65.33 ; D104.B12 335.28,41.45 ; D104.B12 335.28,39.83 ; D104.B12 336.09,40.64 ; D104.B12 334.47,40.64 ; SITE1.G7 248.81,247.93 ; SITE1.G7 247.85,247.93 ; SITE1.G7 248.33,247.45 ; SITE1.G7 248.33,248.41 ; D123.A5 243.84,54.15 ; D123.A5 243.03,53.34 ; D123.A5 243.84,52.53 ; D123.A5 244.65,53.34 ; 408.23,71.12 D306.B12 ; D306.B12 408.94,70.41 ; D306.B12 408.94,71.83 ; D306.B12 409.65,71.12 ; 249.75,246.43 SITE1.G18 ; SITE1.G18 250.23,246.91 ; SITE1.G18 250.71,246.43 ; SITE1.G18 250.23,245.95 ; UNK2U1.4 483.53,228.55 ; UNK2U1.4 482.59,227.61 ; UNK2U1.4 482.59,229.49 ; UNK2U1.4 481.65,228.55 ; 248.11,73.66 D122.A7 ; D122.A7 249.73,73.66 ; D122.A7 248.92,72.85 ; D122.A7 248.92,74.47 ; 331.85,241.33 SITE2.G5 ; SITE2.G5 332.33,240.85 ; SITE2.G5 332.81,241.33 ; SITE2.G5 332.33,241.81 ; D116.A7 333.55,396.24 ; D116.A7 332.74,395.43 ; D116.A7 331.93,396.24 ; D116.A7 332.74,397.05 ; 32.21,38.1 D128.B9 ; D128.B9 33.02,38.91 ; D128.B9 33.83,38.1 ; D128.B9 33.02,37.29 ; 189.79,83.82 D317.A13 ; D317.A13 191.21,83.82 ; D317.A13 190.5,84.53 ; D317.A13 190.5,83.11 ; 98.25,35.56 D132.A6 ; D132.A6 99.87,35.56 ; D132.A6 99.06,36.37 ; D132.A6 99.06,34.75 ; 320.04,326.85 D113.B12 ; D113.B12 320.85,327.66 ; D113.B12 320.04,328.47 ; D113.B12 319.23,327.66 ; D111.A2 419.91,373.38 ; D111.A2 419.1,374.19 ; D111.A2 419.1,372.57 ; D111.A2 418.29,373.38 ; SITE2.G9 330.81,247.93 ; SITE2.G9 330.33,248.41 ; SITE2.G9 329.85,247.93 ; SITE2.G9 330.33,247.45 ; 403.86,392.89 D112.A8 ; D112.A8 403.86,394.51 ; D112.A8 403.05,393.7 ; D112.A8 404.67,393.7 ; SITE4.G4 331.81,181.33 ; SITE4.G4 330.85,181.33 ; SITE4.G4 331.33,181.81 ; SITE4.G4 331.33,180.85 ; 265.89,35.56 D124.A14 ; D124.A14 266.7,36.37 ; D124.A14 267.51,35.56 ; D124.A14 266.7,34.75 ; D108.B16 419.91,40.64 ; D108.B16 419.1,39.83 ; D108.B16 418.29,40.64 ; D108.B16 419.1,41.45 ; 91.44,72.85 D130.A3 ; D130.A3 92.25,73.66 ; D130.A3 91.44,74.47 ; D130.A3 90.63,73.66 ; D123.B15 270.05,58.42 ; D123.B15 268.43,58.42 ; D123.B15 269.24,59.23 ; D123.B15 269.24,57.61 ; D302.B1 308.05,68.58 ; D302.B1 307.34,69.29 ; D302.B1 306.63,68.58 ; D302.B1 307.34,67.87 ; 309.88,80.47 D102.B2 ; D102.B2 309.07,81.28 ; D102.B2 309.88,82.09 ; D102.B2 310.69,81.28 ; D118.B15 195.58,79.55 ; D118.B15 194.77,78.74 ; D118.B15 196.39,78.74 ; D118.B15 195.58,77.93 ; D431.B14 167.64,379.27 ; D431.B14 166.83,378.46 ; D431.B14 167.64,377.65 ; D431.B14 168.45,378.46 ; 17.78,72.85 D126.A3 ; D126.A3 17.78,74.47 ; D126.A3 16.97,73.66 ; D126.A3 18.59,73.66 ; CSDPS425.C15 239.57,340.36 ; CSDPS425.C15 237.95,340.36 ; CSDPS425.C15 238.76,339.55 ; CSDPS425.C15 238.76,341.17 ; D118.B4 167.64,82.09 ; D118.B4 167.64,80.47 ; D118.B4 168.45,81.28 ; D118.B4 166.83,81.28 ; D103.A9 327.66,54.15 ; D103.A9 328.47,53.34 ; D103.A9 327.66,52.53 ; D103.A9 326.85,53.34 ; D318.A7 175.26,64.21 ; D318.A7 175.97,63.5 ; D318.A7 174.55,63.5 ; D318.A7 175.26,62.79 ; 256.54,34.75 D124.A10 ; D124.A10 256.54,36.37 ; D124.A10 257.35,35.56 ; D124.A10 255.73,35.56 ; 337.82,334.47 D113.A5 ; D113.A5 337.01,335.28 ; D113.A5 338.63,335.28 ; D113.A5 337.82,336.09 ; 320.04,387.81 D116.B12 ; D116.B12 319.23,388.62 ; D116.B12 320.04,389.43 ; D116.B12 320.85,388.62 ; D305.A3 386.79,83.82 ; D305.A3 386.08,83.11 ; D305.A3 385.37,83.82 ; D305.A3 386.08,84.53 ; D128.B7 28.75,38.1 ; D128.B7 27.13,38.1 ; D128.B7 27.94,38.91 ; D128.B7 27.94,37.29 ; D431.B10 177.8,379.27 ; D431.B10 178.61,378.46 ; D431.B10 176.99,378.46 ; D431.B10 177.8,377.65 ; D126.A15 48.26,74.47 ; D126.A15 48.26,72.85 ; D126.A15 49.07,73.66 ; D126.A15 47.45,73.66 ; 116.03,73.66 D130.A13 ; D130.A13 116.84,74.47 ; D130.A13 117.65,73.66 ; D130.A13 116.84,72.85 ; 192.33,66.04 D318.A14 ; D318.A14 193.04,66.75 ; D318.A14 193.04,65.33 ; D318.A14 193.75,66.04 ; 237.95,73.66 D122.A3 ; D122.A3 239.57,73.66 ; D122.A3 238.76,72.85 ; D122.A3 238.76,74.47 ; 390.35,335.28 D109.A13 ; D109.A13 391.97,335.28 ; D109.A13 391.16,336.09 ; D109.A13 391.16,334.47 ; 406.4,32.21 D108.A11 ; D108.A11 407.21,33.02 ; D108.A11 406.4,33.83 ; D108.A11 405.59,33.02 ; CSDPS225.B12 247.19,332.74 ; CSDPS225.B12 245.57,332.74 ; CSDPS225.B12 246.38,333.55 ; CSDPS225.B12 246.38,331.93